# Altium PCB Main.PcbDoc (part 6 of 7)
Units mm, origin at the board's own origin, x right, y up, seen from the top; angles counter-clockwise.
Board outline 176.9 x 83.38 mm, 6 copper layers (Top Layer, Signal 1, GND, VCC, Signal 2, Bottom Layer), stack 0.816 mm thick; 265 components, 263 nets, 1108 pads, 1060 vias.
Unrouted connection lines stored in the file: 116.
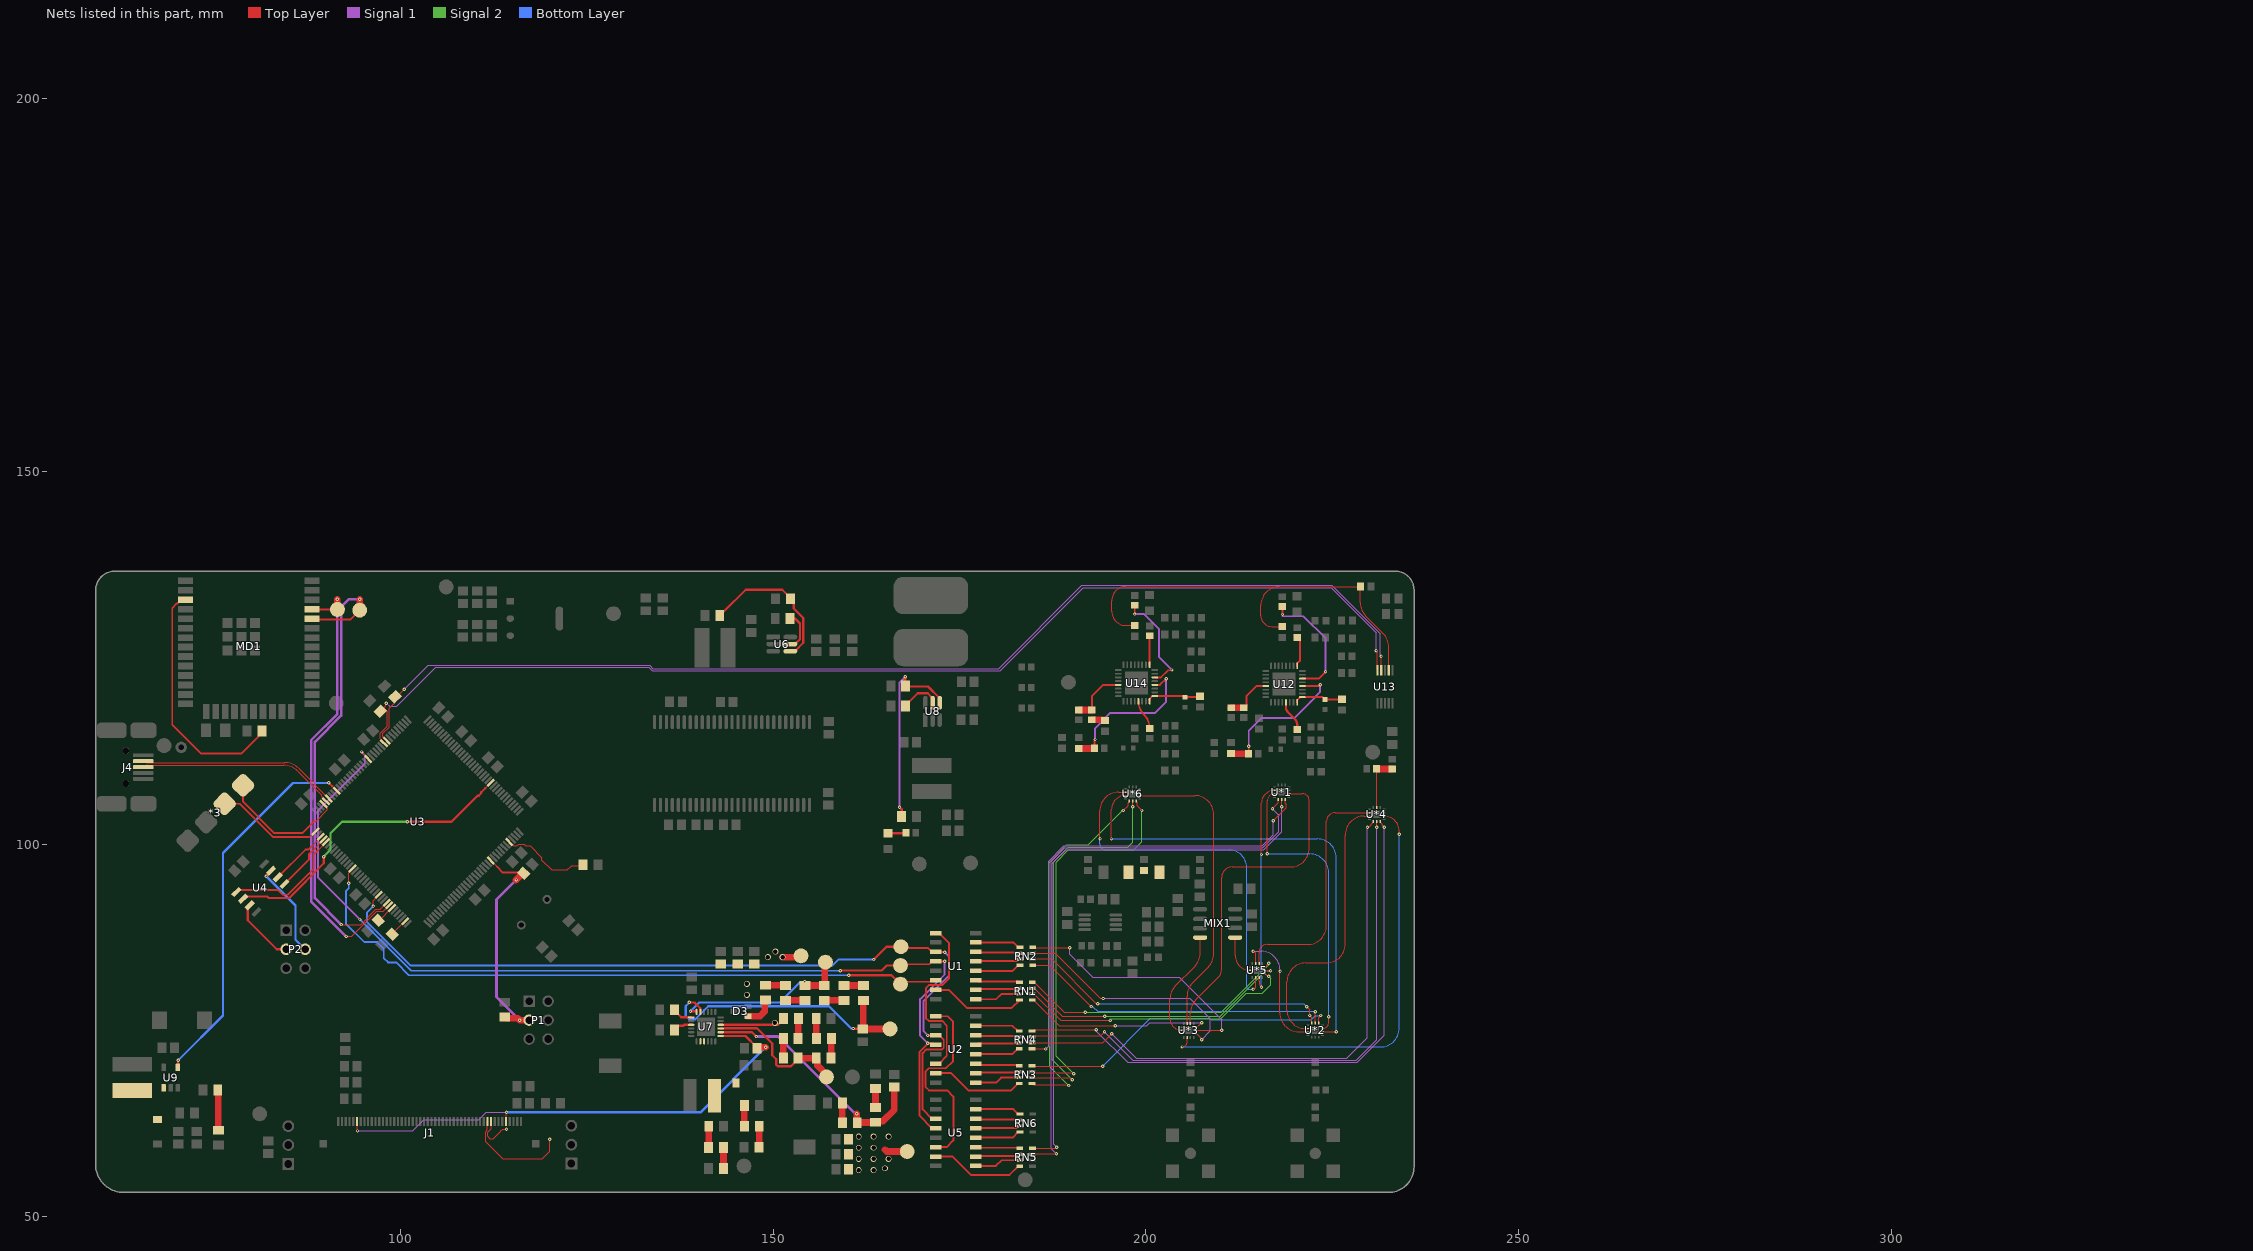
[diagram p10: the nets of this part, all layers, seen from the top]

## Via types
v1: diameter 0.45, hole 0.2, Top Layer to Bottom Layer, tented both sides, 551 vias
v2: diameter 0.8, hole 0.6, Top Layer to Bottom Layer, tented both sides, 348 vias
v3: diameter 0.4, hole 0.2, Top Layer to Bottom Layer, tented both sides, 138 vias
v4: diameter 0.5, hole 0.2, Top Layer to Bottom Layer, tented both sides, 23 vias

## Nets (pads, with @x,y where several pads share a name; then routed paths per layer and width w, separated by ;. In a path a pad name is that pad's centre, name@x,y a point inside that pad or via, vN(x,y) a via of type N, cw(c..) or ccw(c..) an arc to the next point about the centre after c; other vN are vias at no path point) (continued)
NetC139_1: C139.1 R65.1 | length 1.8
  Top Layer w0.9: R65.1@192.773,116.676 194.348,116.676 194.473,116.551 C139.1@194.523,116.551
NetC141_2: C141.2 L8.2 L9.1
NetD1_2: D1.2 L2.2 U7.8 U7.9
NetD2_2: D2.2 L4.2 U9.1
NetLED1_2: LED1.2 R23.2 | length 2.5
  Top Layer w0.305: LED1.2@165.4,101.45 167.8,101.45 R23.2@167.85,101.5
NetMD1_3: MD1.3 R2.1 | length 32.8
  Top Layer w0.254: MD1.3@71.165,132.77 70.615,132.77 70.122,132.277 70.03,132.277 69.4,131.647 69.4,115.987 73.264,112.123 78.673,112.123 81.45,114.9 R2.1@81.45,115.025
NetMIX1_4: MIX1.4 U*3.13 | length 14.8
  Top Layer w0.127: U*3.13@204.825,75 cw(c204.825,76.575) 203.25,76.575 203.25,79.198 cw(c205.79,79.198) 203.994,80.994 206.556,83.556 ccw(c204.76,85.352) 207.3,85.352 MIX1.4@207.3,87.45
NetMIX1_5: MIX1.5 U*5.13 | length 5.6
  Top Layer w0.127: MIX1.5@212,87.45 212,85.075 ccw(c214.025,85.075) U*5.13@214.025,83.05
NetP2_3: P2.3 U4.3 | length 8.9
  Top Layer w0.305: U4.3@79.8,91.777 79.517,91.494 79.517,89.758 83.4,85.875 P2.3@84.68,85.875
NetP2_4: P2.4 U4.7 | length 13
  Top Layer w0.305: v1(81.975,95.7) 82.65,96.375 U4.7@82.65,96.423
  Bottom Layer w0.305: v1(81.975,95.7) 85.937,91.738 85.937,87.158 P2.4@87.22,85.875
NetR3_1: R3.1 U3.32 | length 12.2
  Top Layer w0.127: U3.32@114.611,100.26 114.698,100.26 115.209,99.749 115.619,99.749 115.854,99.984 116.617,99.984 116.832,99.768 117.399,99.768 118.991,98.177 118.991,97.853 120.286,96.558 122.422,96.558 122.964,97.1 124.5,97.1 R3.1@124.5,97.225
NetR6_1: R6.1 U3.143 | length 2.5
  Top Layer w0.127: R6.1@98.907,87.907 98.907,87.939 100.622,89.653 U3.143@100.646,89.653
NetR7_1: R7.1 U3.138 | length 2.5
  Top Layer w0.127: R7.1@97.032,89.757 97.214,89.757 U3.138@98.878,91.421
NetR9_1: R9.1 R11.2 U6.4 | length 20.4
  Top Layer w0.305: R9.1@142.85,130.65 142.85,130.775 143.298,131.223 143.423,131.223 146.325,134.125 151.225,134.125 152.325,133.025 R11.2@152.325,132.9 152.773,132.452 152.773,131.601 154.06,130.314 154.06,126.988 152.946,125.875 U6.4@152.325,125.875
NetR10_2: R10.2 U6.5 | length 5.2
  Top Layer w0.305: R10.2@152.3,130.25 152.95,130.25 153.605,129.595 153.605,127.483 152.946,126.825 U6.5@152.325,126.825
NetR12_1: R12.1 R13.2 | length 2.8
  Top Layer w0.9: R13.2@146.15,62.125 R12.1@146.15,64.9
NetR13_1: R13.1 R14.2 | length 2.8
  Top Layer w0.9: R14.2@148.125,59.325 148.138,59.338 148.138,62.112 R13.1@148.15,62.125
NetR15_1: R15.1 U7.3 | length 2.6
  Top Layer w0.305: R15.1@136.8,75.05 136.8,75.175 137.248,75.623 137.94,75.623 138.068,75.75 U7.3@139.025,75.75
NetR16_1: R16.1 R17.2 | length 2.9
  Top Layer w0.9: R17.2@141.35,59.275 141.363,59.288 141.363,62.112 R16.1@141.375,62.125
NetR17_1: R17.1 R18.2 | length 2.8
  Top Layer w0.9: R18.2@143.35,56.475 R17.1@143.35,59.275
NetR19_1: R19.1 R21.2 U8.4 | length 26.3
  Top Layer w0.305: v1(166.969,104.956) 167.25,104.675 R19.1@167.25,103.7 ; v1(167.75,122.425) 167.75,121.25 R21.2@167.8,121.2 167.8,121.132 170.789,121.132 172.35,119.571 U8.4@172.35,118.95
  Signal 1 w0.305: v1(166.969,104.956) 166.969,121.644 v1(167.75,122.425)
NetR20_2: R20.2 U8.5 | length 5.3
  Top Layer w0.305: R20.2@167.8,118.5 167.8,118.625 169.405,120.23 170.742,120.23 171.4,119.571 U8.5@171.4,118.95
NetR22_1: R22.1 U7.1 | length 2.7
  Top Layer w0.305: R22.1@136.8,77.775 136.8,77.65 137.7,76.75 U7.1@139.025,76.75
NetR24_1: R24.1 R25.2 | length 2.7
  Top Layer w0.9: R24.1@159.3,62.6 R25.2@159.3,65.275
NetR26_1: R26.1 R29.2 | length 2.5
  Top Layer w0.9: R26.1@163.75,64.675 R29.2@163.75,67.175
NetR27_1: R27.1 R28.2 | length 5.4
  Top Layer w0.9: R28.2@75.5,67 75.55,66.95 75.55,61.65 R27.1@75.6,61.6
NetR31_1: R31.1 R32.2 | length 2.7
  Top Layer w0.9: R31.1@148.975,81.05 148.987,81.038 151.663,81.038 R32.2@151.675,81.025
NetR32_1: R32.1 R33.2 | length 2.6
  Top Layer w0.9: R32.1@151.675,79.025 R33.2@154.275,79.025
NetR34_1: R34.1 R35.2 | length 2.7
  Top Layer w0.9: R35.2@153.375,73.925 153.4,73.95 R34.1@153.4,76.6
NetR35_1: R35.1 R36.2 | length 2.7
  Top Layer w0.9: R36.2@151.375,71.275 R35.1@151.375,73.925
NetR37_1: R37.1 R38.2 | length 2.6
  Top Layer w0.9: R37.1@156.875,79.025 R38.2@159.5,79.025
NetR38_1: R38.1 R39.2 | length 2.7
  Top Layer w0.9: R38.1@159.5,81.025 159.513,81.013 162.137,81.013 R39.2@162.15,81
NetR40_1: R40.1 R41.2 | length 2.6
  Top Layer w0.9: R40.1@157.8,71.275 157.813,71.288 157.813,73.888 R41.2@157.825,73.9
NetR41_1: R41.1 R42.2 | length 2.7
  Top Layer w0.9: R42.2@155.8,76.6 155.813,76.587 155.813,73.912 R41.1@155.825,73.9
NetR47_1: R47.1 U12.13 | length 4.2
  Top Layer w0.305: U12.13@218.821,119.002 218.821,118.306 ccw(c219.675,118.306) 219.071,117.702 220.038,116.735 cw(c219.355,116.052) 220.321,116.052 R47.1@220.321,115.352
NetR50_1: R50.1 U12.22 | length 16
  Top Layer w0.254: v1(218.346,130.802) R50.1@218.346,131.877 ; U12.22@221.021,122.202 223.196,122.202 v1(224.121,123.127)
  Signal 1 w0.254: 218.371,130.552 221.146,130.552 224.121,127.577 v1(224.121,123.127)
NetR52_1: R52.1 U12.25 | length 4.1
  Top Layer w0.254: U12.25@220.321,123.902 220.321,124.223 220.677,124.579 220.677,127.379 220.354,127.702 R52.1@220.321,127.702
NetR56_1: R56.1 R57.2 U*4.13 | length 7.3
  Top Layer w0.127: R57.2@230.95,110.075 cw(c230.95,110.025) 231,110.025 U*4.13@231,104.925
  Top Layer w0.9: R57.2@230.95,110.075 R56.1@233.05,110.075
NetR59_1: R59.1 U14.13 | length 4.1
  Top Layer w0.254: U14.13@199.023,119.151 ccw(c201.558,119.151) 199.765,117.359 199.773,117.351 cw(c197.962,115.54) 200.523,115.54 R59.1@200.523,115.501
NetR61_1: R61.1 U14.22 | length 14.2
  Top Layer w0.254: v1(198.523,130.851) R61.1@198.523,132.051 ; U14.22@201.223,122.351 U14.22@201.223,122.351 202.049,122.353 203.01,123.314 203.485,123.314 v1(203.523,123.351)
  Signal 1 w0.254: v1(198.523,130.851) 199.773,130.851 201.773,128.851 201.773,125.101 v1(203.523,123.351)
NetR62_1: R62.1 U14.25 | length 3.9
  Top Layer w0.254: U14.25@200.523,124.051 R62.1@200.523,127.951
NetRN1_1: RN1.1 U1.3 | length 6
  Top Layer w0.254: U1.3@177.2,81.71 177.342,81.568 182.977,81.568 RN1.1@183.075,81.47
NetRN1_2: RN1.2 U1.2 | length 6
  Top Layer w0.254: U1.2@177.2,80.44 177.332,80.572 182.977,80.572 RN1.2@183.075,80.67
NetRN1_3: RN1.3 U1.1 | length 6.2
  Top Layer w0.254: U1.1@177.2,79.17 179.912,79.17 180.612,79.87 RN1.3@183.075,79.87
NetRN1_4: RN1.4 U1.15 | length 12.7
  Top Layer w0.254: U1.15@171.8,80.44 173.577,80.44 175.997,78.02 182.025,78.02 RN1.4@183.075,79.07
NetRN2_1: RN2.1 U1.7 | length 6.2
  Top Layer w0.254: U1.7@177.2,86.79 182.255,86.79 182.9,86.145 RN2.1@183.125,86.145
NetRN2_2: RN2.2 U1.6 | length 6
  Top Layer w0.254: U1.6@177.2,85.52 177.287,85.432 183.037,85.432 RN2.2@183.125,85.345
NetRN2_3: RN2.3 U1.5 | length 6
  Top Layer w0.254: U1.5@177.2,84.25 177.247,84.297 182.652,84.297 182.9,84.545 RN2.3@183.125,84.545
NetRN2_4: RN2.4 U1.4 | length 6.2
  Top Layer w0.254: U1.4@177.2,82.98 182.135,82.98 182.9,83.745 RN2.4@183.125,83.745
NetRN3_1: RN3.1 U2.3 | length 6
  Top Layer w0.254: U2.3@177.2,70.54 177.372,70.368 182.952,70.368 RN3.1@183.05,70.27
NetRN3_2: RN3.2 U2.2 | length 5.9
  Top Layer w0.254: U2.2@177.2,69.27 177.302,69.372 182.952,69.372 RN3.2@183.05,69.47
NetRN3_3: RN3.3 U2.1 | length 6.1
  Top Layer w0.254: U2.1@177.2,68 179.915,68 180.585,68.67 RN3.3@183.05,68.67
NetRN3_4: RN3.4 U2.15 | length 12.6
  Top Layer w0.254: U2.15@171.8,69.27 173.888,69.27 176.238,66.92 181.875,66.92 182.825,67.87 RN3.4@183.05,67.87
NetRN4_1: RN4.1 U2.7 | length 6.1
  Top Layer w0.254: U2.7@177.2,75.62 182.125,75.62 182.825,74.92 RN4.1@183.05,74.92
NetRN4_2: RN4.2 U2.6 | length 5.9
  Top Layer w0.254: U2.6@177.2,74.35 177.332,74.218 182.952,74.218 RN4.2@183.05,74.12
NetRN4_3: RN4.3 U2.5 | length 5.9
  Top Layer w0.254: U2.5@177.2,73.08 177.342,73.222 182.952,73.222 RN4.3@183.05,73.32
NetRN4_4: RN4.4 U2.4 | length 6.1
  Top Layer w0.254: U2.4@177.2,71.81 182.115,71.81 182.825,72.52 RN4.4@183.05,72.52
NetRN5_1: RN5.1 U5.3 | length 6
  Top Layer w0.254: U5.3@177.2,59.345 177.287,59.258 183.012,59.258 RN5.1@183.1,59.17
NetRN5_2: RN5.2 U5.2 | length 6
  Top Layer w0.254: U5.2@177.2,58.075 177.247,58.122 182.627,58.122 182.875,58.37 RN5.2@183.1,58.37
NetRN5_3: RN5.3 U5.1 | length 6.2
  Top Layer w0.254: U5.1@177.2,56.805 179.892,56.805 180.657,57.57 RN5.3@183.1,57.57
NetRN5_4: RN5.4 U5.15 | length 12.8
  Top Layer w0.254: U5.15@171.8,58.075 174.085,58.075 176.54,55.62 181.725,55.62 182.875,56.77 RN5.4@183.1,56.77
NetRN6_1: RN6.1 U5.7 | length 6.2
  Top Layer w0.254: U5.7@177.2,64.425 182.245,64.425 182.9,63.77 RN6.1@183.125,63.77
NetRN6_2: RN6.2 U5.6 | length 6
  Top Layer w0.254: U5.6@177.2,63.155 177.292,63.063 183.032,63.063 RN6.2@183.125,62.97
NetRN6_3: RN6.3 U5.5 | length 6
  Top Layer w0.254: U5.5@177.2,61.885 177.237,61.922 182.652,61.922 182.9,62.17 RN6.3@183.125,62.17
NetRN6_4: RN6.4 U5.4 | length 6.2
  Top Layer w0.254: U5.4@177.2,60.615 182.145,60.615 182.9,61.37 RN6.4@183.125,61.37
NetU1_9: U1.9 U2.14 | length 24
  Top Layer w0.254: U2.14@171.8,70.54 172.275,70.54 173.306,71.571 173.306,75.651 172.694,76.263 170.89,76.263 170.5,76.653 170.5,80.677 170.906,81.083 172.71,81.083 173.631,82.004 173.631,86.704 172.275,88.06 U1.9@171.8,88.06
NetU2_9: U2.9 U5.14 | length 27.2
  Top Layer w0.254: U5.14@171.8,59.345 173.3,59.345 174.2,60.245 174.2,66.12 173.375,66.945 170.925,66.945 170.475,67.395 170.475,69.482 170.905,69.913 173.193,69.913 174.15,70.87 174.15,76.17 173.43,76.89 U2.9@171.8,76.89
NetU*1_2: U*1.2 U*5.3 | length 28.8
  Top Layer w0.127: U*5.3@215.2,82.075 215.2,81.585 ccw(c216.31,81.585) v1(215.525,80.8) ; v1(215.525,98.6) 215.525,105.45 cw(c217.275,105.45) U*1.2@217.275,107.2
  Bottom Layer w0.127: v1(215.525,80.8) v1(215.525,98.6)
NetU*1_3: U*1.3 U*2.3 | length 39.7
  Top Layer w0.127: v1(216.3,98.675) 216.3,105.775 cw(c217.275,105.775) U*1.3@217.275,106.75 ; U*2.3@223.725,75.25 ccw(c223.725,76.075) 224.55,76.075 v1(224.55,76.825)
  Bottom Layer w0.127: v1(216.3,98.675) 222.01,98.675 cw(c222.01,96.135) 224.55,96.135 v1(224.55,76.825)
NetU*1_9: U*1.9 U*3.9 | length 44.8
  Top Layer w0.127: U*3.9@206,75.95 206,77.323 cw(c208.54,77.323) 206.744,79.119 209.751,82.126 ccw(c208.726,83.15) 210.175,83.15 210.175,95.5 cw(c211.6,95.5) 211.6,96.925 219.41,96.925 ccw(c219.41,99.465) 221.95,99.465 221.95,105.825 ccw(c221.025,105.825) 221.025,106.75 U*1.9@219.2,106.75
NetU*2_2: U*2.2 U*6.3 | length 63.7
  Top Layer w0.127: v1(195.4,100.675) 195.4,104.625 cw(c197.275,104.625) U*6.3@197.275,106.5 ; U*2.2@223.725,74.8 v1(225.575,74.8)
  Bottom Layer w0.127: v1(195.4,100.675) 223.035,100.675 cw(c223.035,98.135) 225.575,98.135 v1(225.575,74.8)
NetU*2_9: U*2.9 U*4.3 | length 38.1
  Top Layer w0.127: U*2.9@221.8,75.25 221.4,75.25 cw(c221.4,77.7) 218.95,77.7 218.95,81.51 cw(c221.49,81.51) 221.49,84.05 224.235,84.05 ccw(c224.235,86.59) 226.775,86.59 226.775,101.21 cw(c229.315,101.21) 229.315,103.75 U*4.3@230.025,103.75
NetU*2_10: U*2.10 U*5.10 | length 17.9
  Top Layer w0.127: v1(214.4,85.6) cw(c214.4,85.25) 214.75,85.25 U*5.10@214.75,84 ; v1(218.025,82.925) 218,82.925 218,77.34 ccw(c220.54,77.34) 220.54,74.8 U*2.10@221.8,74.8
  Signal 1 w0.127: v1(214.4,85.6) 215.485,85.6 cw(c215.485,83.06) 218.025,83.06 v1(218.025,82.925)
NetU*3_2: U*3.2 U*4.9 | length 61.9
  Top Layer w0.127: v1(204.875,72.775) ccw(c204.875,73.45) 205.55,73.45 U*3.2@205.55,74.025 ; U*4.9@231.95,103.75 cw(c231.95,101.675) 234.025,101.675 v1(234.025,101.325)
  Bottom Layer w0.127: v1(204.875,72.775) 231.485,72.775 ccw(c231.485,75.315) 234.025,75.315 v1(234.025,101.325)
NetU*3_10: U*3.10 U*6.9 | length 40.6
  Top Layer w0.127: U*6.9@199.2,106.5 206.585,106.5 cw(c206.585,103.96) 209.125,103.96 209.125,85.277 cw(c206.585,85.277) 208.381,83.481 206.294,81.394 ccw(c208.09,79.598) 205.55,79.598 U*3.10@205.55,75.95
NetU*4_2: U*4.2 U*5.9 | length 33
  Top Layer w0.127: U*5.9@215.2,84 215.2,85.425 cw(c216.3,85.425) 216.3,86.525 221.71,86.525 ccw(c221.71,89.065) 224.25,89.065 224.25,103.035 cw(c225.415,103.035) 225.415,104.2 U*4.2@230.025,104.2
NetU*5_2: U*5.2 U*6.2 | length 49.7
  Top Layer w0.127: v1(193.875,100.7) 193.825,100.75 193.825,104.41 cw(c196.365,104.41) 196.365,106.95 U*6.2@197.275,106.95 ; v1(214.4,80.525) ccw(c214.4,80.875) 214.75,80.875 U*5.2@214.75,82.075
  Bottom Layer w0.127: v1(193.875,100.7) 193.825,100.65 193.825,100.025 ccw(c194.65,100.025) 194.65,99.2 211.175,99.2 cw(c211.175,96.825) 213.55,96.825 213.55,80.8 ccw(c213.825,80.8) 213.825,80.525 v1(214.4,80.525)
OSC_OUT: C77.1 C100.2 C127.1 U13.2 | length 61.5
  Top Layer w0.127: C127.1@198.523,129.326 197.324,129.326 cw(c197.324,131.225) 195.425,131.225 195.425,132.65 cw(c197.325,132.65) 197.325,134.55 217.725,134.55 ; C77.1@218.321,129.177 216.898,129.177 cw(c216.898,130.625) 215.45,130.625 215.45,132.01 cw(c217.99,132.01) 217.99,134.55 C100.2@228.8,134.55 228.8,132.352 ccw(c231.34,132.352) 229.544,130.556 231.856,128.244 cw(c230.06,126.448) 232.6,126.448 U13.2@232.6,123.3
PWM_LED_DISPLAYED: U3.100 U9.4 | length 50.9
  Top Layer w0.127: 90.879,107.729 U3.100@91.453,107.154
  Top Layer w0.254: 90.853,107.754 90.879,107.729
  Top Layer w0.305: U9.4@70.15,70.025 70.175,70.05 70.175,70.975 v1(70.2,71) ; v1(90.4,108.2) 90.407,108.2 90.853,107.754
  Bottom Layer w0.305: v1(70.2,71) 76.2,77 76.2,98.8 85.6,108.2 v1(90.4,108.2)
REF_LCD: "REF LCD.1" C46.2 R39.1 U7.23 | length 37.8
  Top Layer w0.305: v1(138.75,78.75) 139.456,78.75 140.242,77.964 140.242,77.483 U7.23@140.25,77.475 ; v1(160.75,75.25) 160.775,75.225 C46.2@162.1,75.225
  Top Layer w0.9: C46.2@162.05,75.175 C46.2@162.063,75.188 ; R39.1@162.15,79 162.1,78.95 162.1,75.225 C46.2@162.063,75.188 ; 165.7,75.2 165.687,75.188 C46.2@162.063,75.188
  Bottom Layer w0.305: v1(138.75,78.75) 138.75,78.711 138.294,78.254 138.294,76.956 138.75,76.5 139.572,76.5 141.322,78.25 157.5,78.25 160.5,75.25 v1(160.75,75.25)
RESET_MCU: C11.1 P1.3 R8.2 U3.25 | length 31.1
  Top Layer w0.127: U3.25@112.136,97.785 112.975,96.946
  Top Layer w0.254: 112.975,96.946 113.752,96.17 116.453,96.17 C11.1@116.524,96.099
  Top Layer w0.9: R8.2@114,76.775 114.15,76.625 115.76,76.625 v1(116.01,76.375) P1.3@117.28,76.375 ; v1(115.525,95.175) 116.449,96.099 C11.1@116.524,96.099
  Signal 1 w0.35: v1(115.525,95.175) 112.9,92.55 112.9,79.485 v1(116.01,76.375)
RX_ESP32: MD1.34 RX.1 U3.136 | length 64.2
  Top Layer w0.127: v1(92.05,89.2) 94.685,89.2 96.72,91.235 97.277,91.235 U3.136@98.171,92.128
  Top Layer w0.254: MD1.34@88.165,130.23 88.247,130.148 93.323,130.148 RX.1@94.55,131.375
  Top Layer w0.9: RX.1@94.55,131.375 v1(94.55,132.85)
  Signal 1 w0.35: v1(92.05,89.2) 88.523,92.727 88.523,113.716 92.05,117.243 92.05,131.8 93.1,132.85 v1(94.55,132.85)
SCL_SI5351: R5.1 U3.81 U13.4 | length 153.2
  Top Layer w0.127: U3.81@98.171,113.872 98.171,113.959 97.66,114.47 97.66,114.835 98.508,115.683 98.508,118.235 99.282,119.009 R5.1@99.282,119.768 99.543,119.768 v1(100.525,120.75) ; v1(231.575,125.2) 231.587,125.188 231.587,123.313 U13.4@231.6,123.3
  Signal 1 w0.127: v1(100.525,120.75) 103.77,123.995 133.427,123.995 133.889,123.532 180.282,123.532 191.45,134.7 224.955,134.7 231.443,128.212 231.443,125.333 v1(231.575,125.2)
SDA_SI5351: R4.1 U3.82 U13.5 | length 155.2
  Top Layer w0.127: U3.82@97.817,113.518 97.817,113.605 97.306,114.116 97.306,114.873 98.231,115.798 98.231,117.819 97.77,118.28 R4.1@97.307,117.818 98.063,118.574 98.063,118.838 v1(98.125,118.9) ; v1(230.9,125.925) 230.9,125.838 231.032,125.705 231.032,123.368 U13.5@231.1,123.3
  Signal 1 w0.127: v1(98.125,118.9) 98.55,118.475 99.525,118.475 104.768,123.718 133.313,123.718 133.775,123.255 180.48,123.255 191.6,134.375 224.888,134.375 230.9,128.363 v1(230.9,125.925)
SHIFT_CLK: CLK.1 U1.11 U2.11 U3.133 U5.11 | length 115
  Top Layer w0.127: v1(96.38,91.679) 96.384,91.684 96.384,92.376 97.11,93.102 U3.133@97.11,93.189
  Top Layer w0.254: CLK.1@167.15,86.22 167.325,86.045 170.8,86.045 171.325,85.52 U1.11@171.8,85.52 173,85.52 v1(173.025,85.495) ; v1(170.75,74.32) 170.765,74.335 171.785,74.335 U2.11@171.8,74.35 172.275,74.35 172.902,73.723 172.902,72.645 172.694,72.437 170.56,72.437 170.071,71.948 170.071,64.409 171.325,63.155 U5.11@171.8,63.155
  Top Layer w0.305: v1(163.5,84.5) 165.22,86.22 CLK.1@167.15,86.22
  Signal 1 w0.254: v1(170.75,74.32) 170.194,74.876 170.194,78.964 173.631,82.401 173.631,84.889 v1(173.025,85.495)
  Bottom Layer w0.254: v1(96.38,91.679) 95.55,90.85 95.55,89.536 101.392,83.694 157.944,83.694 158.75,84.5 v1(163.5,84.5)
SHIFT_MOSI: MOSI.1 U1.14 U3.123 | length 91.2
  Top Layer w0.127: v1(93.079,94.746) 93.064,94.761 93.064,96.126 93.575,96.637 U3.123@93.575,96.724
  Top Layer w0.254: MOSI.1@167.1,81.195 167.425,81.52 171.61,81.52 U1.14@171.8,81.71
  Top Layer w0.305: v1(160.144,82.394) 165.901,82.394 MOSI.1@167.1,81.195
  Bottom Layer w0.254: v1(93.079,94.746) 93.079,94.079 92.694,93.694 92.694,89.324 95.162,86.856 96.86,86.856 97.775,85.941 97.775,84.704 98.368,84.11 99.421,84.11 101.137,82.394 v1(160.144,82.394)
SPI_FLASH_CS: U3.113 U4.1 | length 16.5
  Top Layer w0.127: 88.9,99.125 90.035,100.26 U3.113@90.039,100.26
  Top Layer w0.254: U4.1@78.004,93.573 78.287,93.856 83.569,93.856 84.225,93.2 84.9,93.2 88.375,96.675 88.375,98.6 88.9,99.125
SPI_FLASH_MISO: U3.112 U4.5 | length 8.2
  Top Layer w0.127: 88.55,99.425 89.685,100.56 U3.112@89.685,100.614
  Top Layer w0.254: U4.5@84.446,94.627 87.725,97.906 87.725,98.6 88.55,99.425
SPI_FLASH_MOSI: U3.48 U4.2 | length 41.8
  Top Layer w0.127: 111.393,107.472 U3.48@112.136,108.215
  Top Layer w0.305: U4.2@78.902,92.675 79.185,92.958 82.142,92.958 82.33,92.771 85.078,92.771 89.725,97.418 89.725,98.3 v1(89.7,98.3) ; v1(100.925,103) 106.867,103 110.355,106.487 110.506,106.487 110.862,106.843 110.862,106.94 111.393,107.472
  Signal 2 w0.305: v1(89.7,98.3) 90.625,99.225 90.625,101.45 92.175,103 v1(100.925,103)
SPI_FLASH_SCK: U3.111 U4.6 | length 8.1
  Top Layer w0.127: 88.2,99.775 89.332,100.907 U3.111@89.332,100.967
  Top Layer w0.254: U4.6@83.548,95.525 87.273,99.25 87.675,99.25 88.2,99.775
SW_HET: R65.2 R67.1 U14.5 | length 7.8
  Top Layer w0.254: R65.2@192.773,117.976 192.773,119.851 194.273,121.351 U14.5@196.323,121.351
  Top Layer w0.9: R67.1@191.023,117.976 192.723,117.976 R65.2@192.773,117.976
SW_HET1: RN3.7 U*6.7 | length 53.5
  Top Layer w0.127: RN3.7@184.75,69.47 184.911,69.308 190.154,69.308 190.263,69.2 v1(190.35,69.2) ; U*6.7@198.7,105.75 198.875,105.575 198.875,105.125 v1(199.5,104.5)
  Signal 2 w0.127: v1(190.35,69.2) 190.325,69.2 187.975,71.55 187.975,97.575 189.605,99.205 198.38,99.205 199.5,100.325 v1(199.5,104.5)
SW_HET2: RN3.6 U*6.6 | length 53.1
  Top Layer w0.127: RN3.6@184.75,68.67 189.83,68.67 v1(190.125,68.375) ; v1(198.25,105) U*6.6@198.25,105.75
  Signal 2 w0.127: v1(190.125,68.375) 187.45,71.05 187.45,97.442 189.583,99.575 197.6,99.575 198.25,100.225 v1(198.25,105)
SW_HET3: RN3.5 U*6.5 | length 50.5
  Top Layer w0.127: RN3.5@184.75,67.87 184.911,67.708 189.454,67.708 189.563,67.6 v1(189.65,67.6) ; v1(197,104.5) 197.65,105.15 197.65,105.502 197.8,105.652 U*6.5@197.8,105.75
  Signal 2 w0.127: v1(189.65,67.6) 187.143,70.107 187.143,72.725 187.025,72.842 187.025,97.5 189.402,99.877 192.285,99.877 196.908,104.5 v1(197,104.5)
SW_LO1: RN1.8 U*5.7 | length 37.1
  Top Layer w0.127: RN1.8@184.775,81.47 184.87,81.375 184.97,81.475 185.286,81.158 185.334,81.158 189.043,77.45 v1(191.9,77.45) ; U*5.7@215.95,83.5 216.047,83.5 216.206,83.659 216.206,83.706 v1(216.5,84)
  Signal 2 w0.127: v1(191.9,77.45) 210.117,77.45 216.5,83.833 v1(216.5,84)
SW_LO2: RN1.7 U*5.6 | length 36.9
  Top Layer w0.127: RN1.7@184.775,80.67 185.023,80.67 188.818,76.875 v1(194.5,76.875) ; U*5.6@215.95,83.05 215.975,83.025 216.725,83.025 v1(216.75,83)
  Signal 2 w0.127: v1(194.5,76.875) 209.983,76.875 216.108,83 v1(216.75,83)
SW_LO3: RN1.6 U*5.5 | length 37.6
  Top Layer w0.127: RN1.6@184.775,79.87 184.899,79.994 188.568,76.325 v1(195.225,76.325) ; U*5.5@215.95,82.6 216.047,82.6 216.336,82.312 216.438,82.312 v1(216.5,82.25)
  Signal 2 w0.127: v1(195.225,76.325) 195.225,76.543 210.042,76.543 213.475,79.975 215.642,79.975 216.775,81.108 216.775,81.975 v1(216.5,82.25)
SW_OUT1: RN2.6 U*2.7 | length 42.1
  Top Layer w0.127: RN2.6@184.825,84.545 184.88,84.6 185.084,84.396 185.263,84.575 187.392,84.575 193.392,78.575 v1(193.575,78.575) ; v1(221.625,78.15) 222,77.775 v1(222,77) 222.3,76.7 U*2.7@222.3,76
  Bottom Layer w0.127: v1(193.575,78.575) 221.2,78.575 v1(221.625,78.15)
SW_OUT2: RN2.5 U*2.6 | length 42
  Top Layer w0.127: RN2.5@184.825,83.745 187.155,83.745 v1(192.7,78.2) ; U*2.6@222.75,76 v1(222.75,77.5)
  Bottom Layer w0.127: v1(192.7,78.2) 192.925,78.2 193.582,77.543 222.707,77.543 v1(222.75,77.5)
SW_OUT3: RN3.8 U*2.5 | length 42.8
  Top Layer w0.127: RN3.8@184.75,70.27 184.755,70.275 184.83,70.2 v1(194.225,70.2) ; U*2.5@223.2,76 223.2,76.7 v1(223.5,77)
  Bottom Layer w0.127: v1(194.225,70.2) 200.625,76.6 208.675,76.6 208.817,76.458 222.225,76.458 222.725,76.957 223.457,76.957 v1(223.5,77)